# Altium PCB RS2-708_V010.PcbDoc (part 2 of 4) (continued)
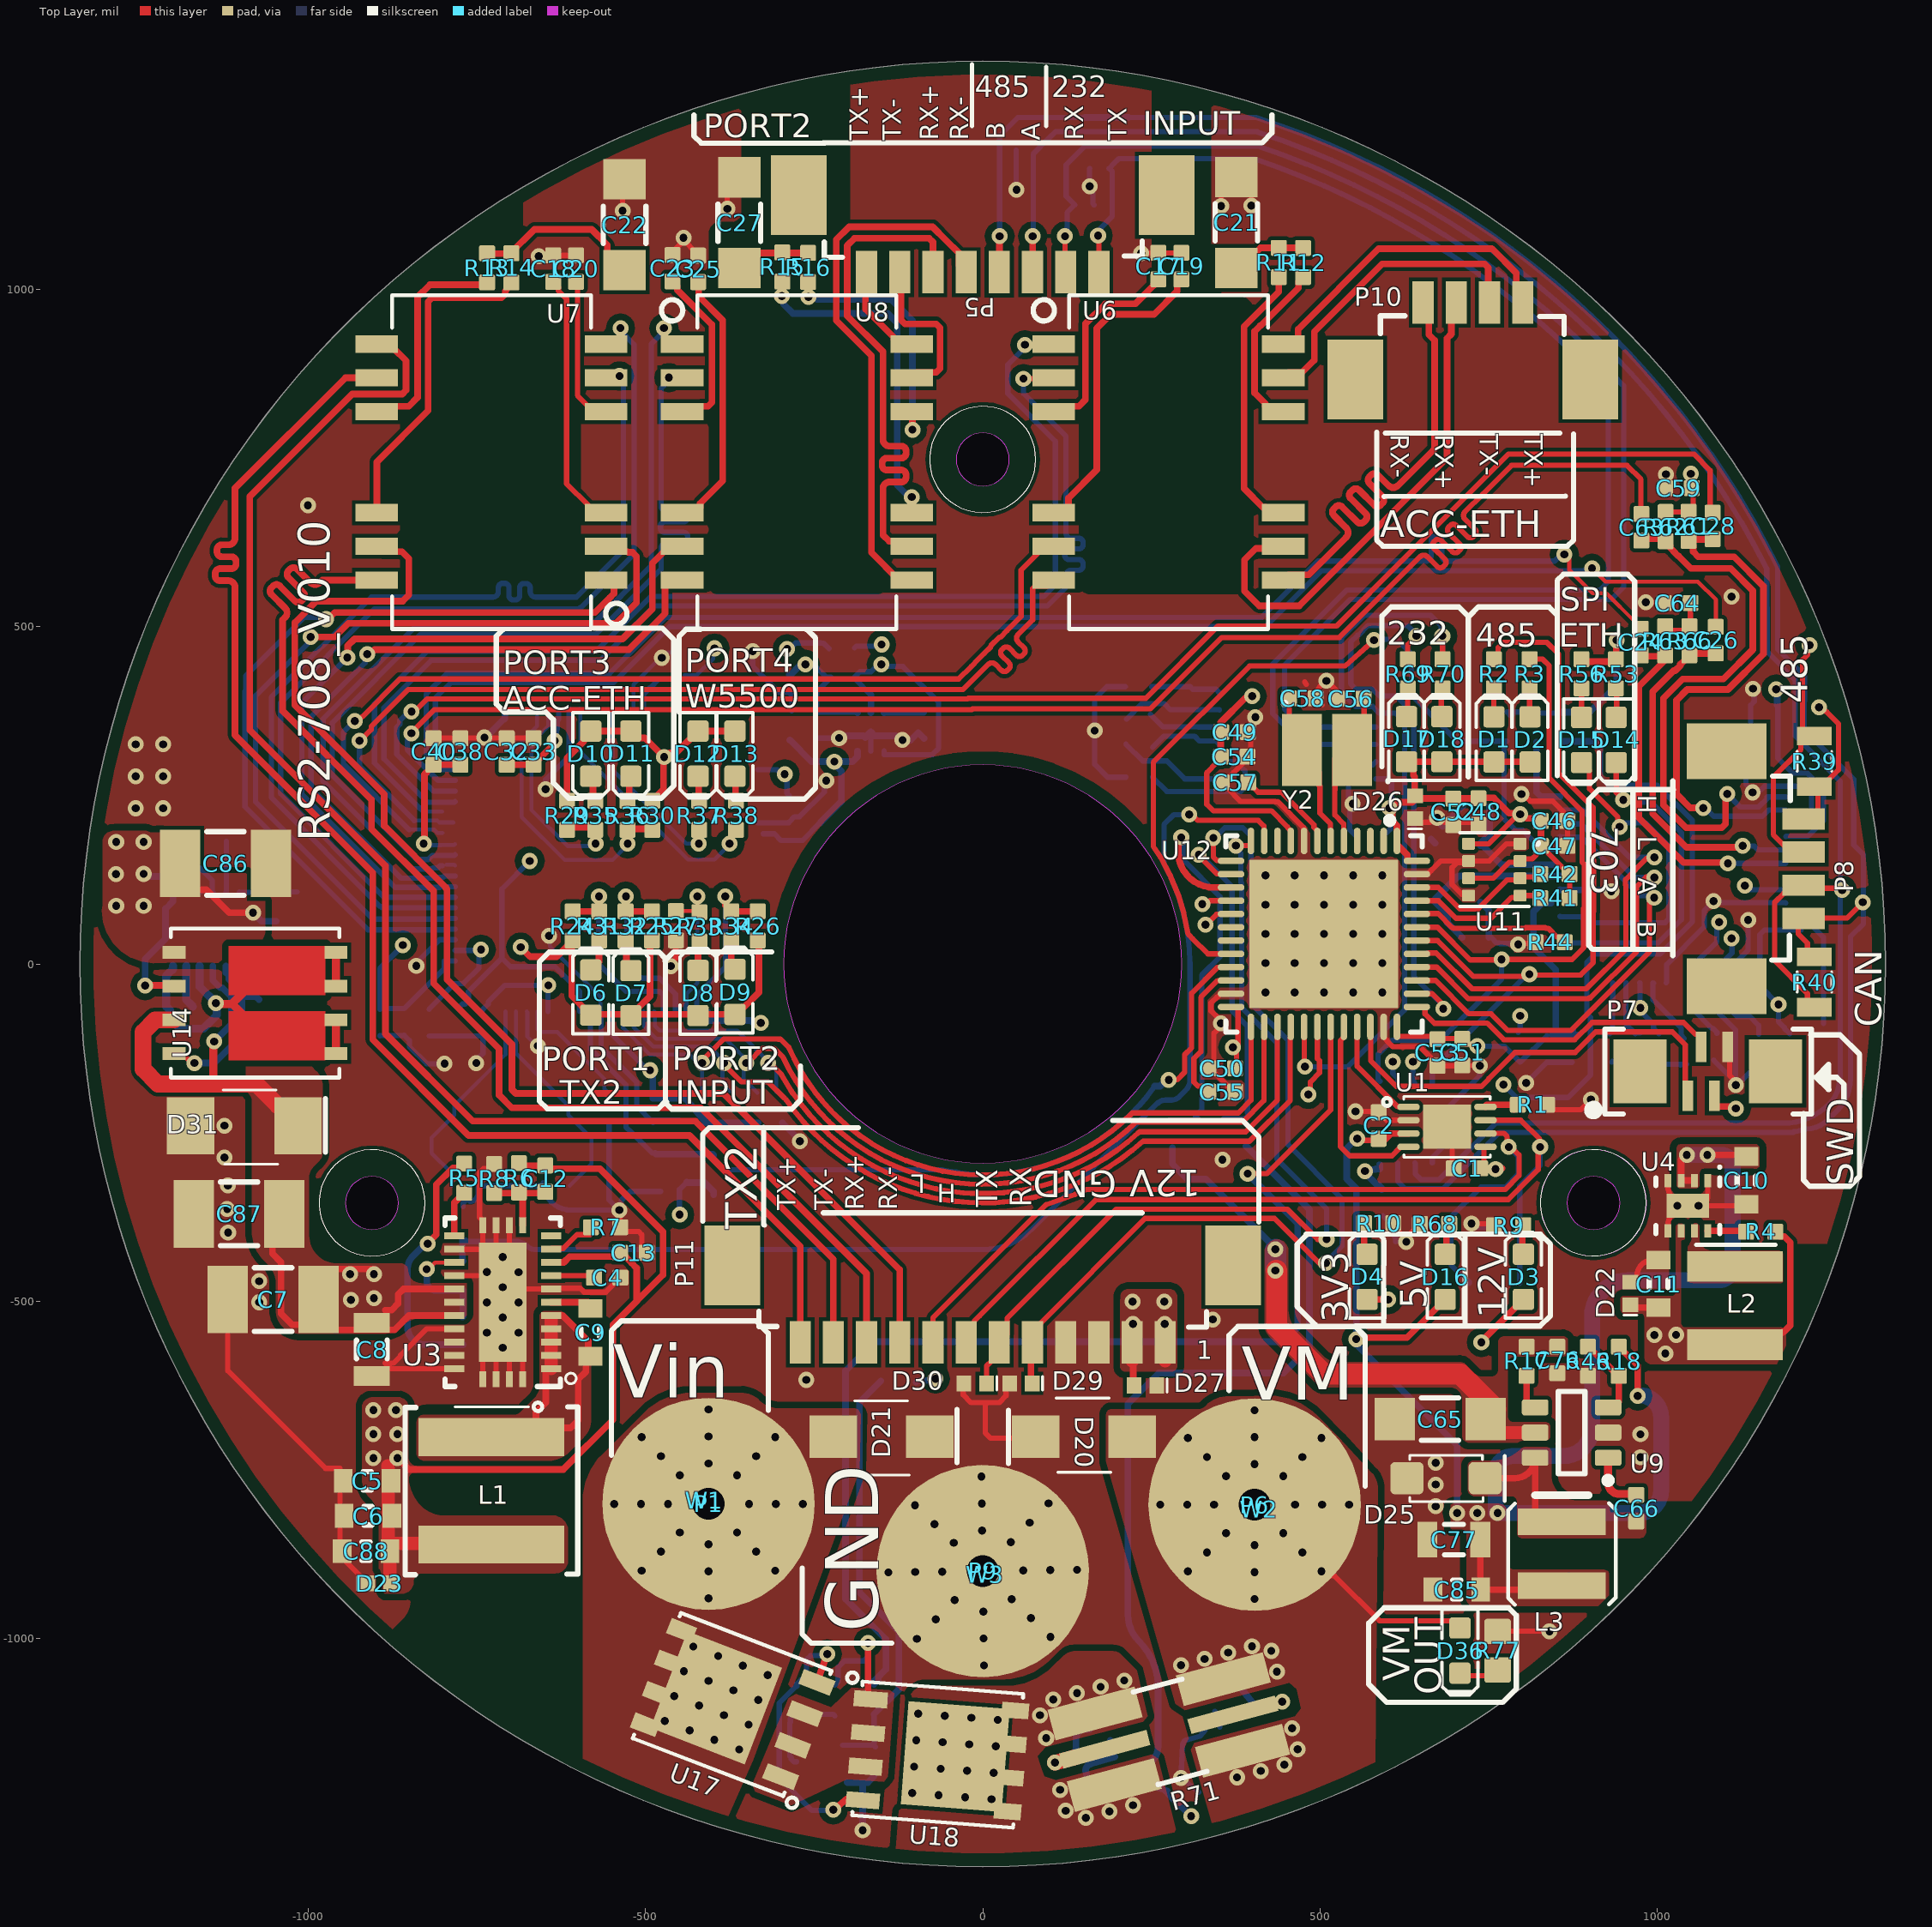
[diagram p0: Top Layer view]
## Part data (continued)
Y3: Case/Package=SMD/SMT, ESR (Equivalent Series Resistance)=60R, Frequency=25MHz, Frequency Stability=30ppm, Load Capacitance=10pF, Manufacturer 1=Abracon, Manufacturer Part Number 1=ABM8G-25.000MHZ-B4Y-T, Max Operating Temperature=70°C, Min Operating Temperature=-20°C, Package Quantity=1000, Supplier Part Number=535-10297-1-ND, ComponentLink1Description=https://datasheet.ciiva.com/16416/abm8g-16416874.pdf?src-supplier=Future+Electronics, ComponentLink1URL=https://datasheet.ciiva.com/16416/abm8g-16416874.pdf?src-supplier=Future+Electronics, ComponentLink2Description=https://datasheet.ciiva.com/28508/1883677-28508586.pdf?src-supplier=Element14, ComponentLink2URL=https://datasheet.ciiva.com/28508/1883677-28508586.pdf?src-supplier=Element14, ComponentLink3Description=https://datasheet.ciiva.com/7998/abm8g-7998635.pdf?src-supplier=Element14, ComponentLink3URL=https://datasheet.ciiva.com/7998/abm8g-7998635.pdf?src-supplier=Element14, ComponentLink4Description=https://datasheet.ciiva.com/855/abm8g-855228.pdf?src-supplier=Digi-Key, ComponentLink4URL=https://datasheet.ciiva.com/855/abm8g-855228.pdf?src-supplier=Digi-Key, ComponentLink5Description=https://datasheet.ciiva.com/855/abm8g-855229.pdf?src-supplier=Digi-Key, ComponentLink5URL=https://datasheet.ciiva.com/855/abm8g-855229.pdf?src-supplier=Digi-Key, ComponentLink6Description=https://datasheet.ciiva.com/855/abm8g-855230.pdf?src-supplier=Digi-Key, ComponentLink6URL=https://datasheet.ciiva.com/855/abm8g-855230.pdf?src-supplier=Digi-Key, ComponentLink7Description=https://datasheet.ciiva.com/4945/abm8g-10572-4945134.pdf?src-supplier=Mouser, ComponentLink7URL=https://datasheet.ciiva.com/4945/abm8g-10572-4945134.pdf?src-supplier=Mouser, Depth=2.5mm, Frequency Tolerance=30ppm, Height=0.039inch, Lead Free="Lead Free", Length=3.2mm, Mount="Surface Mount", Number of Pins=4, Packaging="Tape and Reel", Pricing 1="1=0,94000, 10=0,83500, 50=0,78040, 100=0,68970, 500=0,65340 (USD)", REACH SVHC=Unknown, RoHS=Yes, Series Resistance=60R, Stock 1=30143, Supplier 1=Digi-Key, Termination=SMD/SMT, Tolerance=30ppm, Width=0.098inch

## Via types
v1: diameter 23.62, hole 11.81, Top Layer to Bottom Layer, tented both sides, 246 vias
v2: diameter 23.62, hole 11.81, Top Layer to Bottom Layer, tented bottom, 109 vias
v3: diameter 23.62, hole 11.81, Top Layer to Bottom Layer, 37 vias
v4: diameter 78.74, hole 47.24, Top Layer to Bottom Layer, tented bottom, 3 vias

## Nets (pads, with @x,y where several pads share a name; then routed paths per layer and width w, separated by ;. In a path a pad name is that pad's centre, name@x,y a point inside that pad or via, vN(x,y) a via of type N, cw(c..) or ccw(c..) an arc to the next point about the centre after c; other vN are vias at no path point)
1V2: C75.1 U13.22 | length 89.8
  Bottom Layer w7.87: U13.22@954.46,-27.85 953.52,-28.8 953.52,-89.18 C75.1@966.65,-102.32 ; C75.1@967.69,-103.35 C75.1@966.65,-102.32 ; C75.1@974.69,-102.32 C75.1@966.65,-102.32
1V2_A: C14.1 C36.1 C37.1 D24.1 FB1.2 U5.4 U10.1 | length 1373.8
  Layer 2 w15.75: v1(-859.99,27.89) -859.99,26.33 -859.53,26.79 -784.73,101.6 -640.37,101.6 -590.18,151.78 -311.8,151.78 -302.58,161 -302.58,175.45 -257.6,220.42 -257.6,436.41 -263,441.8 v1(-263,444.13)
  Bottom Layer w7.87: v1(-859.99,27.89) -859.99,23.26 -861.62,21.62 -865.54,21.62 -894,-6.83 C36.1@-894,-67.32 -893,-66.32 C37.1@-858,-66.32 -798.16,-6.47 -798.16,4.39 U10.1@-782.41,4.39 ; v1@-263,442.27 -260.05,442.27 -259.78,442 -249,442 -232,425 -228,425 -225,425 -228,422 FB1.2@-228,424.35 ; C14.1@-246,373.68 -246,404 FB1.2@-228.5,421.5
  Bottom Layer w9.84: D24.1@-286.73,429.08 -284.57,429.08 -272.15,441.5 -265.64,441.5 v1(-263,444.13) ; C14.1@-242.88,374.56 -186.18,374.56 -185.68,374.06 U5.4@-185.68,372.44
1V2_D: C32.1 C33.1 C34.1 C35.1 FB1.1 U10.26 U10.42 U10.73 | length 1457
  Top Layer w9.84: C32.1@-705.77,295.2 -666.61,295.2 C33.1@-666.26,295.55 -637.41,324.4 -637.41,328.36 v1(-634.77,331)
  Layer 2 w15.75: v1(-671.74,152.6) -671.74,149.13 -677.64,155.03 -677.64,288.13 v1(-634.77,331) -583.77,280 -295.07,280 v1(-293.68,281.39) -295.19,282.89 -295.19,288.46 -297.14,290.41 -297.14,342.87 -296.78,343.23 -296.78,364.43 -297.14,364.79 -297.14,457.73 -290,464.87 v1(-290,467)
  Bottom Layer w7.87: C35.1@-777,-65 -771.44,-59.44 -767.27,-59.44 -762.65,-54.83 -762.65,-41.12 -713.11,8.42 -713.11,8.74 ; v1(-671.74,152.6) -713.11,111.23 -713.11,8.74 ; v1@-632.27,342.31 -632.27,346.64 -630.83,348.07 -630.83,360.69 -628.87,362.66 U10.26@-628.87,378.41 ; U10.73@-597.37,-70.41 -597.37,-52.36 -597.75,-51.97 -597.75,-40.67 -634.25,-4.17 -700.2,-4.17 -713.11,8.74 ; U10.42@-333.59,287.86 -304.86,287.86 -290.31,273.31 -290.31,252.99 C34.1@-287,249.68 ; v1(-290,467) -286.33,467 -277.51,475.81 -240.49,475.81 -240.2,475.53 -235.87,475.53 FB1.1@-228,467.65
3V3: C1.1 C3.1 C11.1 C15.1 C42.1 C43.1 C44.1 C45.1 C46.1 C47.1 C48.1 C49.1 C50.1 C51.1 C52.1 C53.1 C54.2 C73.1 C74.1 C78.1 C84.1 D1.2 D2.2 D4.2 D5.1 D6.2 D7.2 D8.2 D9.2 D10.2 D11.2 D12.2 D13.2 D17.2 D18.2 D22.1 D26.2 FB2.2 FB3.2 L2.2 P7.3 R4.1 R5.2 R19.2 R20.2 R21.2 R24.2 R25.2 R26.2 R28.1 R29.2 R30.2 R41.1 R42.1 R52.2 R53.2 R54.2 R55.2 R56.2 R65.2 R78.2 U1.5 U2.8 U4.6 U5.1 U5.3 U5.5 U10.34 U10.48 U10.70 U11.2 U11.6 U11.8 U12.1 U12.9 U12.24 U12.36 U12.48 U13.28 U16.16 U19.6 U19.7 | length 5970.8
  Top Layer w7.87: C54.2@353.84,298.25 347.04,298.25 332.61,283.82 332.61,283.37 332.32,283.09 332.32,236.69 341.9,227.11 427.93,227.11 451.87,203.17 451.87,202.51 456.79,197.59 U12.9@456.79,182.29 ; U12.24@368.2,-63.77 377.74,-63.77 378.65,-64.68 378.65,-121.21 v1@376.28,-123.58 ; v1(371,-123.58) 373.93,-126.52 376.28,-126.52 C50.1@376.28,-155.13 ; U12.36@614.27,-93.3 615.18,-94.21 615.18,-107.47 679.03,-107.47 682.38,-110.82 714.06,-110.82 714.06,-116.62 716.17,-118.72 730.58,-118.72 v1(733.59,-121.73) ; U11.6@720.47,127.02 757.11,127.02 780.7,150.6 794.84,150.6 U11.2@796.85,152.61 800.09,155.85 815.08,155.85 820.87,161.64 820.87,170.23 C47.1@822.5,171.86 ; U11.8@720.47,178.2 750.42,178.2 794.13,221.91 v1(796.97,221.91) ; v1@733.68,-117.84 735.3,-119.46 v1@735.3,-120.11 ; C1.1@743.38,-309.53 U1.5@743.38,-270.72 ; C1.1@744.86,-303.6 762.62,-303.6 767.12,-299.1 771.09,-303.07 769.77,-304.39 v1(760.41,-304.39) ; C47.1@827.76,174.99 862.62,140.13 863.36,140.13 R42.1@870.25,133.24 870.93,132.56 R42.1@870.93,128.27 ; R41.1@870.25,97.6 R42.1@870.25,128.27
  Top Layer w9.84: v1(-822.96,-414.69) -822.96,-414.28 -810.2,-401.51 -810.2,-327.26 -785.59,-302.66 -775.33,-302.66 R5.2@-768.74,-296.07 ; v1(-685.12,24.88) -670.9,10.66 -632.04,10.66 R24.2@-608.01,34.69 ; R29.2@-616.34,245.04 -616.34,305.24 -591.95,329.63 -591.95,334.42 -589.58,336.79 D10.2@-584.79,336.79 ; R24.2@-609.55,28.13 -609.55,-47.51 D6.2@-581.13,-75.93 ; D6.2@-581.52,-77.5 -578.88,-74.87 D7.2@-526.67,-74.87 ; D10.2@-581.13,345.25 D11.2@-521.72,345.25 -511.63,335.16 -501.42,335.16 v1@-476.04,309.78 ; D7.2@-526.67,-79.53 -524.43,-79.53 D7.2@-521.72,-76.82 D7.2@-519.76,-74.87 ; R25.2@-490.46,34.69 -493.44,31.71 -493.44,-47.93 -510.89,-65.38 -510.89,-65.99 D7.2@-519.76,-74.87 ; R30.2@-490,242.07 -473.23,258.84 v1@-473.23,306.92 ; v1@-473.23,308.02 v1@-473.23,306.92 ; v1(-472.39,306.92) v1@-473.23,306.92 ; v1@-469.9,309.96 -467.21,309.96 -464.24,312.94 -454.52,312.94 D12.2@-422.2,345.25 D13.2@-367.4,345.25 ; D9.2@-367.4,-74.87 D7.2@-519.76,-74.87 ; D9.2@-365.5,-75.77 -365.5,-72.97 -356.57,-64.04 -353.77,-64.04 -331.94,-42.2 -331.94,32.9 R26.2@-333.73,34.69 ; C54.2@352.93,299.89 352.93,357.97 389.32,394.36 396.99,394.36 v1(399.63,397) ; D4.2@569.92,-497.45 600.69,-497.45 v1(601,-497.76) ; v1(602.89,231.14) 607.4,231.14 607.4,231.92 609.25,233.78 610.04,233.78 615.91,239.65 636.72,239.65 640.61,243.54 D26.2@640.61,245.31 ; v1@608.29,227.27 608.29,226.41 607.24,225.35 607.24,212.05 614.27,205.02 U12.1@614.27,182.29 ; U12.1@615.39,175.68 629.59,161.48 629.59,152.76 U12.48@643.8,152.76 ; D17.2@628.46,299.76 D18.2@680.85,299.76 806.17,299.76 D2.2@807.69,298.25 ; D17.2@629.88,297.71 638.65,288.94 638.65,279.57 640.61,277.62 D26.2@640.61,245.31 ; C48.1@727.91,246.44 757.72,246.44 780.66,223.5 795.37,223.5 v1(796.97,221.91) 800.7,221.91 806.66,215.94 820.76,215.94 827.65,209.05 C47.1@827.65,174.82 ; C48.1@731.22,245.31 D26.2@640.61,245.31 ; R56.2@885.86,448.31 935.29,448.31 R53.2@938.88,451.91 ; R53.2@936.63,450.3 939.44,453.1 939.44,479.44 v1(940,480) ; D22.1@960.46,-505.42 ccw(c964.78,-505.42) 964.78,-509.74 C11.1@1002.04,-509.74 ; P7.3@1085.03,-209.68 1086.63,-211.27 1109.98,-211.27 1113.05,-214.35 v1(1116.78,-214.35) ; L2.2@1116.42,-566.7 1136.29,-546.83 1185.52,-546.83 1187.48,-544.87 1188.63,-544.87 1197.46,-536.04 1197.46,-412.9 1188.63,-404.07 1182.23,-404.07 R4.1@1175.34,-397.18 1173.36,-395.19 R4.1@1173.36,-394.93
  Bottom Layer w5.91: C45.1@-442.2,428 -424.32,428 -399.73,452.59 -399.73,465.94 v1(-397.69,467.98)
  Bottom Layer w7.87: U10.70@-550.13,-70.41 -550.13,-103.95 v1@-501.08,-153 ; U10.34@-502.88,378.41 -502.88,400.2 -493.74,409.35 -493.03,409.35 -480.06,422.32 C45.1@-442,422.32 ; v1@-449.83,-371.76 -449.83,-334.48 R28.1@-439,-323.65 ; U10.48@-325.6,192.86 -308.86,192.86 -299,183 -267.32,183 C44.1@-241,209.32 ; -165.5,398.5 -190,422.99 FB2.2@-190,425.35 -182.13,433.22 -165.67,433.22 -154.76,444.13 v1(-150.5,444.13) -147.49,441.12 -118.28,441.12 -65.35,388.19 -65.35,319.81 -74.81,310.35 -145.83,310.35 -146.32,310.83 U5.1@-146.32,315.56 ; U16.16@583.14,274.43 601.32,274.43 606.25,269.51 606.25,238.76 602.89,235.4 v1(602.89,231.14) 604.56,229.47 604.56,199.87 C78.1@593.69,189 ; U2.8@587.85,-297.08 U2.8@588.07,-296.85 ; v1(733.59,-121.73) 733.94,-122.08 773.32,-122.08 FB3.2@796.83,-145.6 815.84,-126.59 816.5,-126.59 C74.1@836.83,-106.26 ; R54.2@777.37,373.54 823.4,373.54 R55.2@823.63,373.31 824.98,371.96 859.63,371.96 R52.2@860.98,373.31 ; R54.2@781.52,368.64 R54.2@785.25,368.64
  Bottom Layer w9.84: v1(-822.96,-414.69) ccw(c-822.96,-422.86) -828.72,-417.08 -845.28,-433.63 ccw(c-827.04,-451.87) -852.84,-451.87 -852.84,-538.52 ccw(c-826.89,-538.52) -826.89,-564.47 R78.2@-770.42,-564.47 ; v1@-498.19,-154.99 -489.4,-154.99 -490.63,-156.22 -490.63,-164.06 -489.4,-165.29 -489.4,-199.02 C42.1@-441.64,-199.02 ; C42.1@-441.51,-198.91 R20.2@-410,-235.65 R21.2@-371,-235.65 R19.2@-333,-235.65 ; R28.1@-439,-323.65 -438.47,-324.18 -412.43,-324.18 -399,-337.61 D5.1@-399,-342.53 ; C15.1@-286,332 -254,300 v1(-220,300) -193,300 -185.68,307.32 U5.3@-185.68,315.56 ; C44.1@-241,209.32 -209.37,240.94 -209.37,285.64 -220.36,296.63 v1@-220.36,299.24 ; U5.5@-166,372.44 -165.5,372.93 -165.5,398.5 ; R65.2@-98.75,-620.17 -96.16,-617.58 -72.58,-617.58 v1(-70,-615) ; 158.72,-1219.74 153,-1198.29 cw(c162.51,-1195.73) 159.88,-1186.25 167.13,-1184.24 U19.6@195.97,-1175.67 U19.6@194.08,-1176.15 ; 158.73,-1219.78 ccw(c168.23,-1217.21) 163.29,-1225.72 165.89,-1227.22 ccw(c171.32,-1217.86) 174.2,-1228.3 180.04,-1226.68 228.93,-1213.16 cw(c231.55,-1222.65) 234.65,-1213.3 270.42,-1225.17 ; U19.7@189.15,-1151.01 188.46,-1154.91 193.37,-1172.68 U19.6@193.95,-1175.64 ; 273.3,-1226.12 270.42,-1225.17 ; v1(309.07,-1263.5) C84.1@282.12,-1238.24 272.14,-1227.16 271.07,-1225.96 cw(c278.38,-1219.38) 270.42,-1225.17 ; U2.8@589.11,-297.89 589.11,-303.69 588.83,-303.97 583.04,-303.97 582.29,-304.71 569.25,-304.71 v1(566.82,-307.14) 566.82,-309.85 584.29,-327.32 586.57,-327.32 591.56,-332.31 C3.1@591.56,-334.59 ; U13.28@842.69,90 829.16,90 816.67,77.51 816.67,24.27 849.64,-8.7 849.64,-105.32 ; C74.1@844.69,-105.32 849.64,-105.32 ; 849.64,-106.63 849.64,-105.32 ; R52.2@859.63,373.31 860.98,373.31 900.15,373.31 940,413.16 v1(940,480) ; C73.1@881.69,-105.32 849.64,-105.32
  other v1: 1012.3,-577.6 996.12,-550.24 1028.19,-549.95 -449.4,-371.76 -493.27,-157.69
3V3A: C59.1 C67.1 C68.1 C69.1 C70.1 C71.1 C72.1 FB3.1 R61.1 R62.2 U13.4 U13.8 U13.11 U13.15 U13.17 U13.21 | length 2782.9
  Top Layer w7.87: R62.2@1012.69,670.08 R61.1@1044.82,670.08 ; R61.1@1046.69,670.43 1053.42,677.15 1053.42,702.08 1053.06,702.43 1051.47,704.03 1051.47,725.1 v1(1049.87,726.69)
  Layer 2 w9.84: v1@797.62,-78.27 cw(c810.77,-78.27) 810.77,-65.13 v1(975.17,-65.13) 992.19,-65.13 ccw(c992.19,34.87) 1092.19,34.87 v1@1092.19,62 ; v1@1092.19,62.32 v1@1092.19,62 ; v1@1108.5,34.9 1108.5,45.5 ccw(c1092,45.5) v1@1092.19,62 ; v1(1110.35,38) 1110.35,8.53 ccw(c1180.79,8.53) v1@1180.79,-61.92 ; 1176,316.01 1176,407.39 v1(1176.7,407.39)
  Layer 2 w23.62: v1(1049.87,726.69) 1049.87,316.36 1063.71,302.53 1162.52,302.53 1176,316.01 1176.35,316.36 1176.35,116 ; v1(1130,116) 1176.35,116 ; v1@1176.35,-57.37 1176.35,116
  Bottom Layer w7.87: FB3.1@793.91,-101.35 796.92,-98.34 796.92,-77.11 v1(797,-77.02) ; U13.21@974.15,-27.85 974.66,-28.36 974.66,-64.62 v1(975.17,-65.13) ; v1@975.17,-65.23 975.17,-69.49 994.81,-89.13 994.81,-95.47 C70.1@1002.69,-103.35 ; 1088.51,42.03 1088.51,32.99 1056.83,1.31 1056.83,-0.21 1052.89,-4.15 U13.17@1052.89,-27.85 1052.89,-67.26 1081.11,-95.47 1082.81,-95.47 1088.69,-101.35 C69.1@1088.69,-103.05 ; 1088.54,42.07 1088.54,58.54 v1(1092,62) ; U13.15@1092.26,-51.55 1094.23,-53.52 1094.23,-55.04 1105.42,-66.24 1106.61,-66.24 1118.37,-78 1137.69,-78 1150.69,-91 C71.1@1150.69,-104.32 ; U13.15@1092.26,-27.85 1092.26,-4.15 1096.2,-0.21 1096.2,1.31 1111,16.11 1111,37.35 v1(1110.35,38) ; v1(1130,116) 1136.06,109.94 U13.8@1190.69,109.94 ; C67.1@1179,382.75 1179,305 1201.01,282.99 1222.54,282.99 1246.78,258.74 1246.78,212.53 1223.69,189.44 1191.44,189.44 U13.4@1190.69,188.69 ; C72.1@1196.69,-103.35 1188.81,-95.47 1188.81,-94.54 1180,-85.72 v1(1180,-60) 1152.3,-32.3 1152.3,43.3 1159.32,50.32 U13.11@1213.81,50.32
  Bottom Layer w9.84: v1(1176.7,407.39) cw(c1176.7,405.84) 1178.25,405.84 C67.1@1178.25,383.78
5V: C2.1 C10.1 C77.1 C85.1 D16.2 L3.2 R18.2 U1.3 U4.2 U4.3 | length 2557.8
  Top Layer w7.87: v1(555.26,-259.21) 557.05,-259.21 555.9,-260.36 557.06,-261.51 585.35,-261.51 C2.1@585.9,-262.07
  Top Layer w9.84: v1(553.87,-556.41) 556.06,-554.22 629.07,-554.22 D16.2@685.84,-497.45 ; C2.1@591,-265.68 605.2,-251.48 U1.3@631.41,-251.48 ; C77.1@737.91,-853.62 737.91,-927.78 C85.1@738.55,-927.78 L3.2@852.71,-927.78 ; L3.2@863.35,-913.05 ccw(c863.35,-907.14) L3.2@869.26,-907.14 ; R18.2@943.21,-567.57 950.1,-574.46 971.13,-595.49 v1(971.13,-640.53) ; v1(1044.08,-283.27) ccw(c1044.08,-291.59) 1035.75,-291.59 U4.3@1035.75,-321.09 U4.2@1055.44,-321.09 ; v1@1074.57,-283.27 1117.34,-283.27 cw(c1117.34,-286.27) C10.1@1120.34,-286.27
  Layer 2 w7.87: v1@559.35,-265.54 563.35,-265.54 v1@563.41,-265.59
  Bottom Layer w9.84: v1@554.23,-564.48 703.5,-713.75 v1(703.5,-814.23) ; v1@554.23,-556.41 554.23,-333.12 539.68,-318.58 539.68,-273.88 v1@554.79,-258.78
  Bottom Layer w23.62: v1@760.94,-813.47 760.94,-772.89 760.94,-754.26 cw(c785.43,-754.26) 785.43,-729.77 860.46,-729.77 ccw(c860.46,-686.7) 903.53,-686.7 903.53,-523.31 cw(c957.91,-523.31) 957.91,-468.93 1065.82,-468.93 cw(c1065.82,-472.33) 1067.01,-469.14 1069.22,-469.14 1091.12,-469.14 ccw(c1091.12,-448.26) 1112,-448.26 1112,-300.12 ccw(c1095.15,-300.12) 1095.15,-283.27 1074.57,-283.27 v1(1044.08,-283.27) ; v1(763.53,-814.23) 972.44,-814.23 ccw(c972.44,-780.57) 1006.1,-780.57 1006.1,-672.51 ccw(c972.85,-672.51) v1@972.85,-639.26
  other v1: 733.52,-814.23 1074.57,-283.15
12V: C5.1 C6.1 C12.1 C13.2 C88.1 D3.2 D23.2 D27.2 L1.2 P11.1 P11.2 R6.2 U3.9 | length 2236
  Top Layer w9.84: v1(-867.91,-732.66) -851.06,-749.5 -621.86,-749.5 -548.41,-676.05 -548.41,-535.39 -473.83,-460.81 -473.83,-397.43 -567.81,-303.44 -644.07,-303.44 C12.1@-648.72,-298.79 ; R6.2@-687.95,-295.69 -684.53,-299.12 C12.1@-650.78,-299.12 ; U3.9@-639.84,-442.6 -621.19,-442.58 -612.5,-433.9 -537.89,-433.9 C13.2@-536.96,-432.97 ; C13.2@-537.78,-428.12 -530.89,-435.01 -528.76,-435.01 -521.04,-442.72 -521.04,-443.03 -513.21,-450.87 -513.21,-499.52 ; P11.2@221.46,-561.02 cw(c221.46,-562.76) 222.25,-561.21 cw(c221.46,-562.76) 223.2,-562.76 D27.2@223.2,-626.75 ; v1@736.55,-562.67 D3.2@801.77,-497.45
  Top Layer w19.68: -882.17,-747.99 -882.17,-744.05 ; C88.1@-881.37,-859.12 -881.37,-747.99 ; C88.1@-881.15,-859.12 -730.2,-859.12 L1.2@-728.54,-860.78 ; C88.1@-879.26,-870.68 -879.26,-908.99 -878.85,-909.41 -878.85,-918.12 D23.2@-877.87,-919.11 ; P11.2@221.46,-588.58 222.25,-587.79 222.25,-561.21 222.25,-534.32 v1(223,-533.57) ; v1(270,-533.57) 270.33,-533.9 270.33,-588.25 P11.1@270.67,-588.58
  Layer 2 w9.84: v1(270,-533.57) 270,-576.5 292.86,-599.36 702.06,-599.36 739.46,-561.96 v1(739.46,-561.02)
  other v1: -903.55,-732.66 -903.55,-697.18 -867.91,-697.18 -903.55,-661.71 -870.02,-661.71 222.29,-500.6 269.29,-500.6
A3V3: C38.1 C39.1 C40.1 C41.1 FB2.1 U10.2 U10.12 U10.76 | length 2025.2
  Top Layer w9.84: v1(-828.94,178.33) -828.94,179.68 -827.86,180.76 -827.86,280.99 -821.3,287.55 -821.3,288.36 -817.67,291.99 C40.1@-814.41,295.25 C38.1@-774.45,295.25
  Layer 2 w15.75: v1(-828.94,178.33) -830.5,178.33 -898.27,110.57 -907.49,101.34 -907.49,94.82 -907.49,-9.31 -870.69,-46.12 -811.5,-46.12 v1(-743.96,21.42) -691.55,-31 -644.89,-31 v1(-644.15,-31.74) ; v1@-745.73,23.19 -688.98,79.94 -630.53,79.94 -582.33,128.15 -297.76,128.15 -288.54,137.37 -257.36,181.56 cw(c0,0) -222.82,222.6 -180.06,265.36 -180.06,460.74 -168.8,472 -151.6,472 v1(-149.94,473.66)
  Bottom Layer w5.91: v1(-828.94,178.33) -825.21,178.33 -822.99,176.11 -802.6,176.11 -802.08,176.64 -783.39,176.64 U10.12@-782.41,177.62
  Bottom Layer w7.87: C41.1@-821,-67.32 -782.76,-29.07 -770.09,-29.07 -746.98,-5.96 -746.98,18.4 v1@-745.24,20.14 ; U10.2@-782.41,20.14 v1@-745.24,20.14 ; v1@-743.96,20.14 v1@-745.24,20.14 ; v1(-743.96,21.42) v1@-745.24,20.14 ; C39.1@-741,-67.32 -733.13,-59.44 -733.13,-56.13 -708.74,-31.74 v1(-644.15,-31.74) ; U10.76@-644.61,-70.41 -644.61,-36.55 -643.95,-35.88 v1@-643.95,-31.95 ; FB2.1@-190,468.65 -187.5,471.16 -152.44,471.16 v1(-149.94,473.66)
A_RD_N: U6.8 U10.14 | length 1454.4
  Top Layer w7.87: v1(-924,331) -923,331 -906.8,347.2 -906.8,351.95 -852.01,406.73 -29.27,406.73 -5.92,430.08 8,444 cw(c13.57,438.43) 19.13,444 27.76,435.37 ccw(c32.22,439.82) 36.67,435.37 38.9,437.6 ccw(c34.44,442.05) 38.9,446.5 28.4,457 cw(c32.85,461.46) 28.4,465.91 30.63,468.14 cw(c35.08,463.69) 39.54,468.14 50.03,457.64 ccw(c54.49,462.09) 58.94,457.64 61.17,459.87 ccw(c56.72,464.32) 61.17,468.78 52.54,477.41 cw(c58.11,482.97) 52.54,488.54 74,510 74,521.27 74,556.61 77.62,560.24 96.65,560.24 U6.8@105.51,569.09
  Bottom Layer w5.91: -842.89,212.58 -808.75,212.58 -806.02,209.85 -785.11,209.85 U10.14@-784.71,209.45
  Bottom Layer w7.87: v1(-924,331) -924,293.69 -842.89,212.58
A_RD_P: U6.7 U10.13 | length 1429
  Top Layer w7.87: v1@-931.79,354.91 -920.05,366.66 -919.92,366.66 -864.1,422.48 -35.79,422.48 -17.06,441.21 -6.84,451.44 2.41,460.68 12.09,470.36 12.09,471.87 24.67,484.45 26.18,484.45 35.86,494.13 45.1,503.38 57,515.27 57,584 U6.7@88,615
  Bottom Layer w5.91: -850.83,199.38 -850.38,199.38 -813.57,199.38 -808.54,194.35 U10.13@-801.11,194.35
  Bottom Layer w7.87: v1(-930.94,360.03) -932.01,360.03 -947.9,344.14 -947.9,296.45 -850.83,199.38
A_RX+: P10.2 U6.10 | length 748.8
  Top Layer w9.84: U6.10@445.67,619.09 442.75,616.18 405.18,616.18 388,599 388,553 410,531 469.38,531 688.48,750.1 688.48,927.48 694.91,933.91 694.91,973.54 P10.2@702.27,980.9
A_RX-: P10.1 U6.9 | length 731.4
  Top Layer w9.84: U6.9@445.67,569.09 453.54,576.97 483.34,576.97 535.59,629.22 539.07,632.7 ccw(c532.11,639.66) 539.07,646.62 520.66,665.03 cw(c525.67,670.04) 520.66,675.05 523.17,677.55 cw(c528.18,672.54) 533.19,677.55 555.28,655.47 ccw(c560.29,660.48) 565.3,655.47 567.8,657.97 ccw(c562.79,662.99) 567.8,668 545.72,690.08 cw(c550.73,695.09) 545.72,700.1 548.22,702.61 cw(c553.23,697.6) 558.25,702.61 580.33,680.52 ccw(c585.34,685.53) 590.35,680.52 592.86,683.03 ccw(c587.85,688.04) 592.86,693.05 573.46,712.45 cw(c578.47,717.46) 573.46,722.47 575.97,724.97 cw(c580.98,719.96) 585.99,724.97 601.71,709.25 ccw(c608.67,716.21) 615.63,709.25 668.94,762.56 670,763.62 670,924.75 661.59,933.15 661.59,954.32 654.83,961.09 P10.1@653.18,961.09
A_TD_N: U6.2 U10.16 | length 1757
  Top Layer w7.87: v1(60.43,867.73) 102.22,867.73 ccw(c102.22,872.39) U6.2@105.51,869.09
  Bottom Layer w7.87: U10.16@-782.41,240.61 -783.21,239.81 -823.81,239.81 -888,304 -888,380 -818,450 -567.51,450 -486.51,531 96.06,531 113.46,548.4 121.66,556.6 121.66,560.48 123.49,562.31 123.49,575.96 cw(c131.36,575.96) 131.36,583.83 142.56,583.83 ccw(c142.56,590.13) 148.86,590.13 148.86,593.28 ccw(c142.56,593.28) 142.56,599.58 127.96,599.58 cw(c127.96,605.88) 121.66,605.88 121.66,609.03 cw(c127.96,609.03) 127.96,615.33 142.56,615.33 ccw(c142.56,621.63) 148.86,621.63 148.86,624.78 ccw(c142.56,624.78) 142.56,631.08 131.36,631.08 cw(c131.36,638.95) 123.49,638.95 123.49,687.79 123.49,782.61 60.43,845.67 v1(60.43,867.73)
A_TD_P: U6.1 U10.15 | length 1693
  Bottom Layer w5.91: -829.52,226.03 U10.15@-801.63,226.03
  Bottom Layer w7.87: -829.52,226.03 -835.51,232.02 -836.02,232.02 -901.78,297.78 -901.78,385.71 -823.71,463.78 -573.22,463.78 -492.22,544.78 90.35,544.78 107.88,562.31 107.88,775.01 37.07,845.82 37.07,888.62 v1@63.08,914.63
  other v1: 62.61,917.99
A_TX+: P10.4 U6.16 | length 472.7
  Top Layer w9.84: U6.16@445.67,919.09 459.59,919.09 467.46,926.97 467.46,940.89 587.22,1060.65 754.77,1060.65 791.15,1024.28 791.15,992.85 P10.4@801,983
A_TX-: P10.3 U6.15 | length 453
  Top Layer w9.84: U6.15@445.67,869.09 453.54,876.97 473.54,876.97 491.9,895.33 491.9,937.4 592.43,1037.94 743.96,1037.94 749.73,1032.17 749.73,982.65 P10.3@751.48,980.9
ACTLED: D15.1 U13.27 | length 485.9
  Top Layer w7.87: D15.1@887.2,300.08 899.82,287.46 899.82,259.52 941.63,217.71 941.63,206.41 v1(944.64,203.4)
  Bottom Layer w7.87: U13.27@856.04,70.57 856.49,70.12 887.53,70.12 896.48,61.17 1012.04,61.17 1017.65,66.78 1017.65,174.48 982.86,209.27 950.52,209.27 v1(944.64,203.4)
AD8418: R76.2 U19.5 | length 1213.5
  Bottom Layer w9.84: U19.5@224.93,-1190.6 229.66,-1190.6 ccw(c229.66,-1160.13) 260.12,-1160.13 260.12,-1072.75 ccw(c163.36,-1072.75) 231.78,-1004.33 cw(c271.59,-964.52) 215.29,-964.52 215.29,-652.35 261.01,-606.63 446.09,-606.63 484.5,-568.22 484.5,-364.18 R76.2@390.4,-270.08
AD8418_SENSE: C83.1 R76.1 U12.14 | length 509.2
  Top Layer w7.87: v1(320.34,161.95) 320.34,160.53 347.41,133.46 367.83,133.46 U12.14@368.2,133.08
  Bottom Layer w5.91: C83.1@356.47,-228.85 385.4,-228.85 ccw(c385.4,-221.77) R76.1@390.4,-226.78
  Bottom Layer w7.87: v1(320.34,161.95) 322.42,161.95 369.7,114.67 369.7,-57.6 370.17,-58.08 370.17,-70 392.65,-92.48 392.65,-220.43 R76.1@392.3,-220.78
B_RD_N: C63.2 U10.18 | length 2344.5
  Top Layer w7.87: v1(-847.16,342) -847.16,342.84 -812.79,377.21 -15.77,377.21 -14.86,378.11 248.38,378.11 249.99,379.72 354.27,484 528.66,484 634.45,589.79 648.37,603.71 cw(c653.94,598.14) 659.5,603.71 674.11,589.11 ccw(c678.56,593.57) 683.01,589.11 685.24,591.34 ccw(c680.79,595.79) 685.24,600.25 668.78,616.71 cw(c673.23,621.16) 668.78,625.62 671.01,627.84 cw(c675.46,623.39) 679.92,627.84 696.38,611.38 ccw(c700.83,615.84) 705.29,611.38 707.51,613.61 ccw(c703.06,618.06) 707.51,622.52 691.05,638.98 cw(c695.51,643.43) 691.05,647.89 693.28,650.11 cw(c697.73,645.66) 702.19,650.11 718.65,633.65 ccw(c723.1,638.11) 727.56,633.65 729.78,635.88 ccw(c725.33,640.33) 729.78,644.79 715.18,659.39 cw(c720.75,664.96) 715.18,670.53 741.41,696.75 783.99,739.33 955.25,739.33 976.03,718.55 976.03,667.78 C63.2@976.69,667.12
  Bottom Layer w7.87: v1(-847.16,342) -847.16,337.74 -853.07,331.83 -853.07,317.24 -807.94,272.11 U10.18@-782.41,272.11
B_RD_P: C28.2 U10.17 | length 2346.5
  Top Layer w7.87: v1(-847,374) -842.74,374 -823.79,392.95 -22.29,392.95 -21.38,393.86 241.86,393.86 349,501 524.68,501 623.96,600.28 779.67,755.99 1054.42,755.99 1078.7,731.72 C28.2@1078.7,662.9
  Bottom Layer w7.87: v1(-847,374) -851.26,374 -864.25,361.01 -864.25,355.53 -868.82,350.97 -868.82,310.71 -814.46,256.36 U10.17@-782.41,256.36
B_RX+: C28.1 R61.2 U13.2 | length 757.4
  Top Layer w9.84: v1(1068.37,231.28) 1049.5,231.28 1028.69,252.09 1028.69,390.87 1044.67,406.85 1104.99,406.85 1157.68,459.54 1157.68,560.13 1114.04,603.76 1061.04,603.76 1053.58,611.22 1053.58,620.23 R61.2@1046.69,627.12 1049.01,629.44 1075.7,629.44 C28.1@1080.69,634.43
  Bottom Layer w7.87: v1(1068.37,231.28) 1071.63,231.28 1083.98,218.93 1156.13,218.93 1165.26,228.06 U13.2@1190.69,228.06
B_RX-: C63.1 R62.1 U13.1 | length 853.3
  Top Layer w9.84: C63.1@978.69,630.43 1009.04,630.43 R62.1@1012.69,626.78 ; R62.1@1016.03,623.44 1019.58,619.89 1019.58,617.1 1024.06,612.63 1024.06,612.21 1031.78,604.49 1032.2,604.49 1050.15,586.54 1109,586.54 1141.93,553.6 1141.93,466.06 1098.47,422.59 1038.15,422.59 1009.27,393.72 1009.27,235.41 1042.85,201.83 1095.6,201.83 1101.36,207.6 1101.36,247.64 v1@1100,249
  Bottom Layer w7.87: v1(1104,252) 1123.29,232.71 1150.42,232.71 1163.1,245.39 1163.1,247.74 U13.1@1190.69,247.74
B_TD_N: C26.2 U10.20 | length 2149.7
  Top Layer w5.91: v1(903.57,586.47) 923.27,566.77 1060.44,566.77 1087.27,539.94 C26.2@1087.27,501.34
  Bottom Layer w7.87: U10.20@-782.41,303.61 -800.46,303.61 -811.6,314.74 -811.6,353.1 -811.54,353.16 -811.54,394.31 -788.84,417.01 -547.5,417.01 -464.45,500.07 419.49,500.07 502.49,583.06 891.08,583.06 891.48,583.46 900.56,583.46 v1(903.57,586.47)
B_TD_P: C24.2 U10.19 | length 2142.4
  Top Layer w5.91: v1(862.34,607.14) 863.93,607.14 869.83,601.24 869.83,583.89 904.19,549.53 924.86,549.53 967,507.39 967,504.77 C24.2@970.86,500.91
  Bottom Layer w7.87: U10.19@-782.41,287.86 -804.2,287.86 -825.38,309.03 -825.38,365 -825.32,365.06 -825.32,400.02 -794.55,430.79 -553.21,430.79 -470.15,513.85 413.78,513.85 497.15,597.21 653.17,597.21 657.11,597.21 ccw(c657.11,605.09) 664.98,605.09 664.98,628 cw(c671.28,628) 671.28,634.3 674.43,634.3 cw(c674.43,628) 680.73,628 680.73,605.09 ccw(c688.6,605.09) 688.6,597.21 742.83,597.21 848.15,597.21 858.08,607.14 v1(862.34,607.14)
B_TX+: C24.1 R63.2 U13.6 | length 540.2
  Top Layer w10: C24.1@978.86,456.15 1010.51,456.15 R63.2@1011.86,457.5 ; R63.2@1015.63,454.16 972.62,411.16 972.62,217.09 1039.32,150.4 1103.6,150.4 v1(1105,149)
  Bottom Layer w7.87: v1@1099.69,149 v1(1105,149) 1190.37,149 U13.6@1190.69,149.32
B_TX-: C26.1 R66.1 U13.5 | length 519
  Top Layer w10: R66.1@1047.47,455.32 1045.68,455.32 1034.57,444.21 1034.57,442.55 1026.8,434.78 1024.54,434.78 993.45,403.69 993.45,222.97 1043.64,172.78 1124.78,172.78 v1(1127,175) ; R66.1@1047.47,457.77 1050.17,460.47 C26.1@1086.86,460.47
  Bottom Layer w7.87: v1(1127,175) 1127.33,174.67 1144.33,174.67 1150,169 U13.5@1190.69,169
BME280_SCL: R41.2 U11.4 U12.45 | length 209.5
  Top Layer w7.87: U12.45@643.8,93.71 675.76,93.71 701.79,67.68 753.49,67.68 784.53,98.72 U11.4@796.72,98.72 ; U11.4@796.85,101.43 826.94,101.43 R41.2@828.97,99.4
BME280_SDA: R42.2 U11.3 U12.46 | length 214.9
  Top Layer w7.87: U12.46@643.8,113.39 675.56,113.39 707.5,81.46 734.56,81.46 777.54,124.44 U11.3@793.56,124.44 ; U11.3@791.93,122.1 U11.3@796.85,127.02 799,129.18 R42.2@823.11,129.18
BOOT0: R44.1 U12.44 | length 239.1
  Top Layer w7.87: U12.44@643.8,74.02 644.17,74.4 660.33,74.4 660.53,74.6 675.38,74.6 696.08,53.9 696.82,53.9 697.95,52.77 804.27,52.77 805.25,53.74 834.26,53.74 835.23,52.77 838.72,52.77 851.53,39.96 858.33,39.96 R44.1@864.78,33.51
C1+: C80.1 U16.1 | length 159.9
  Bottom Layer w7.87: C80.1@212.31,326 237.31,301 273,301 299.57,274.43 U16.1@350.86,274.43
C1-: C80.2 U16.3 | length 111.1
  Bottom Layer w7.87: C80.2@251.69,321 268.34,337.65 314.07,337.65 321.21,330.51 345.96,330.51 U16.3@350.86,325.61
C2+: C79.1 U16.4 | length 110
  Bottom Layer w7.87: C79.1@248.69,370 267.25,351.43 319.78,351.43 320.01,351.2 U16.4@350.86,351.2
C2-: C79.2 U16.5 | length 150.9
  Bottom Layer w7.87: C79.2@213.31,363 236.31,386 269,386 278,377 350.65,377 U16.5@350.86,376.8
C_RD_N: U7.2 U10.5 | length 1260.5
  Top Layer w9.84: v1(-996.76,484.75) -960.91,484.75 -940.66,505 -544,505 -513.32,535.68 -513.32,604.47 -519.08,610.24 -525.93,610.24 -526.91,611.22 -545.22,611.22 U7.2@-549,615
  Bottom Layer w7.87: v1(-996.76,484.75) -996.76,480.76 -996,480 -1078.2,397.8 -1078.2,240.26 -904.35,66.4 -801.11,66.4 -800.13,67.39 U10.5@-782.41,67.39
C_RD_P: U7.1 U10.4 | length 1207.6
  Top Layer w9.84: v1(-973.88,511.13) -970.96,511.13 -961.09,521 -575,521 -553,543 -546.9,549.1 -546.9,562.1 U7.1@-542,567
  Bottom Layer w7.87: v1@-966,514 -1006,514 -1092.97,427.03 -1092.97,405.3 -1093.95,404.32 -1093.95,232.93 -911.67,50.65 -794.59,50.65 -793.6,51.64 U10.4@-782.41,51.64
C_RX+: P11.10 U7.16 | length 1913.6
  Top Layer w9.84: U7.16@-898.43,569.09 -965.39,569.09 -979.18,569.09 -982.95,565.32 cw(c-989.91,572.28) -996.87,565.32 -1017.1,585.55 ccw(c-1022.11,580.54) -1027.12,585.55 -1029.63,583.04 ccw(c-1024.62,578.03) -1029.63,573.02 -1007.45,550.84 cw(c-1012.46,545.83) -1007.45,540.82 -1009.96,538.31 cw(c-1014.97,543.32) -1019.98,538.31 -1042.16,560.49 ccw(c-1047.17,555.48) -1052.18,560.49 -1054.69,557.99 ccw(c-1049.67,552.98) -1054.69,547.96 -1034.46,527.74 cw(c-1041.42,520.78) -1034.46,513.82 -1037.94,510.34 -1038.2,510.07 -1038.2,375.23 -906.34,243.37 -906.34,200.12 -814.28,108.06 -814.28,-29.01 -717.06,-126.23 -717.06,-194.5 -698.18,-213.37 -417.92,-213.37 -172.24,-459.05 P11.10@-172.24,-561.02
C_RX-: P11.9 U7.15 | length 1913.9
  Top Layer w9.84: U7.15@-898.43,619.09 -890.55,611.22 -861.22,611.22 -851,601 -851,547 -860,538 -988,538 -1020,506 -1020,384.04 -887.45,251.48 -887.45,204.83 -796.09,113.47 -796.09,112.14 -794.5,110.54 -794.5,-22.85 -698.15,-119.2 -698.15,-186.31 -692.39,-192.08 -384.4,-192.08 -123.03,-453.45 P11.9@-123.03,-561.02
C_TD_N: U7.8 U10.7 | length 1416.3
  Bottom Layer w7.87: U10.7@-782.41,98.88 -887.6,98.88 -1041.19,252.47 -1041.19,387.18 -902.37,526 -599.27,526 -597.02,528.25 -595.96,528.25 -516.99,607.23 -516.99,918.3 -537.17,938.49 v1(-537.17,942.75)